# KiCad board robot-hub_rev3.kicad_pcb (continued)
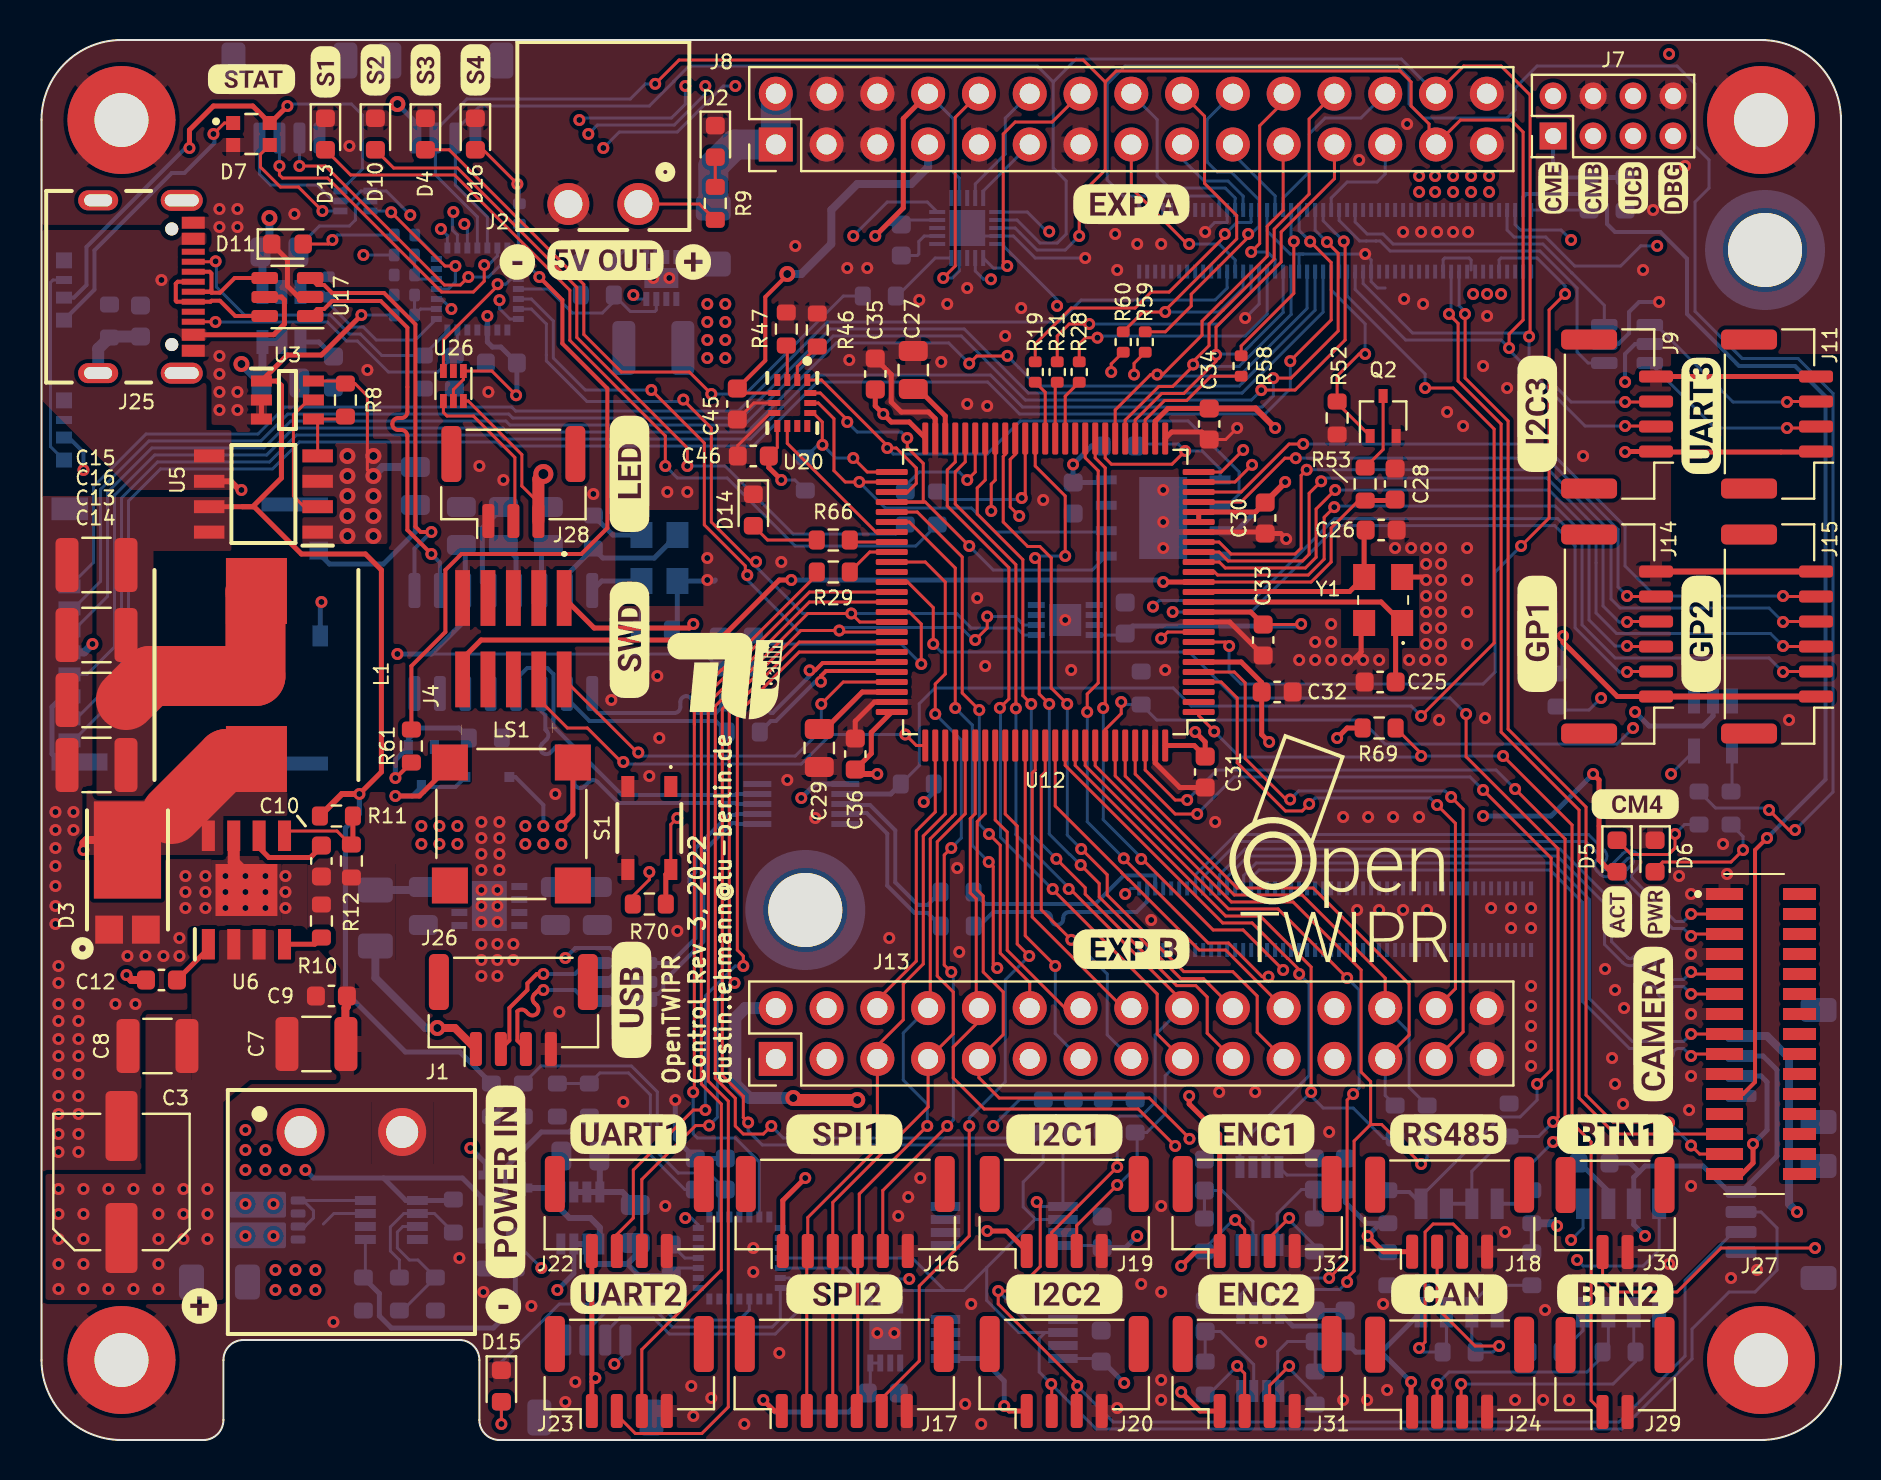
[diagram p0: board, top side]
## Routing (per net, layer and track width the routed paths; a pad name or vN(x,y) marks a point on that pad's centre or on a via; arc(x,y) is an arc through that point) (continued)
  Top w0.15: v1(65.3,23.1) 61.85,26.55 59.37,26.55 52.2,33.72 U12.92 ; v1(64.4,8.1) 65.3,9 65.3,17 v1(65.6,17.3)
  Bottom w0.15: v1(65.3,23.1) 65.9,22.5 65.9,17.6 v1(65.6,17.3) ; U27.5 59.98,7.28 60.8,8.1 v1(64.4,8.1)
ENC2_A: length 33.2
  Top w0.15: v1(63.5,17.4) 63.5,23.65 60.95,26.2 59.22,26.2 51.7,33.72 U12.91
  Bottom w0.15: R24.2 67.13,15.07 65.6,16.6 64.1,16.6 63.5,17.2 v1(63.5,17.4) 61.24,15.14 U28.7
ENC2_B: length 28.4
  Top w0.15: v1(62.9,23.3) 62.9,23.51 62.34,24.07 62.33,24.07 60.55,25.85 59.08,25.85 51.2,33.73 U12.90
  Bottom w0.15: v1(62.9,23.3) 63.4,22.8 63.4,18.22 59.94,14.76 U28.5
G031_LED: length 1.8
  Bottom w0.15: R68.1 23.85,60.74 U14.22
G031_SWCLK: length 15.3
  Top w0.15: v1(12.9,63.7) 14.2,63.7 20.15,57.75 20.95,57.75 v1(21.35,58.15)
  Bottom w0.15: J6.3 v1(12.9,63.7) ; U14.21 23.3,59.09 22.36,58.15 v1(21.35,58.15)
G031_SWDIO: length 16.8
  Top w0.15: v1(11.9,63.7) 11.9,63.25 12.05,63.1 14.31,63.1 20.01,57.4 21.6,57.4 22.14,57.94 v1(22.14,58.75)
  Bottom w0.15: J6.2 v1(11.9,63.7) ; U14.20 22.8,59.2 22.3,58.7 22.19,58.7 v1(22.14,58.75)
HSV_ADC_5V_REG: length 18.6
  Bottom w0.15: U13.9 33.9,12.22 C38.2 33.37,13.35 31.85,13.35 31.85,13.35 30.8,14.39 30.8,17.4 29.5,18.7 24.98,18.7 R31.2
  Bottom w0.25: 22.5,16.17 24.1,17.78 R31.2
HSV_ADC_BAT: length 13
  Bottom w0.15: U13.8 33.4,11.82 C39.2 32.17,12.53 30.45,14.25 30.45,17.26 29.36,18.35 27.93,18.35 R32.1 R33.2
IMU_INT2: length 7.9
  Top w0.15: U20.9 37.3,49.83 41.73,45.4 U12.57
LTC4412_STAT: length 3.6
  Top w0.15: R8.2 15.08,51.05 U3.4 13.81,50.84 U5.4
MEAS_5V_REG_UMCU: length 2.2
  Bottom w0.15: U14.9 18.96,56.55 R36.1 R37.2
MEAS_5V_USB_UMCU: length 2.2
  Bottom w0.15: R34.1 R35.2 18.86,58.05 U14.12
nPWR_LED: length 35
  In1.Cu w0.25: v1(79.7,36.4) 81,37.7 81,55.5 v1(76.5,60)
  Bottom w0.15: v1(76.5,60) 76,60.5 73.97,60.5 73.7,60.77 Module1.95
  Bottom w0.25: v1(79.7,36.4) 80.4,35.7 83.1,35.7 83.6,36.2 U24.2
nRPIBOOT: length 17.6
  In1.Cu w0.25: J7.3 77.6,61.1 78.99,59.71 v1(80.81,59.71)
  Bottom w0.15: v1(80.81,59.71) 79.99,59.71 78.98,58.7 76.68,58.7 75.23,60.15 73.65,60.15 73.3,60.5 Module1.93
NRST: length 52.1
  Top w0.15: R53.2 65.88,46.97 64.5,45.6 64.5,43.9 63.5,42.9 U12.14
  Top w0.25: R53.2 67.65,46.97 C28.1 ; v1(37.5,43) 36.9,43 33.9,40 21.99,40 21.06,39.07 J4.10 ; v1(56.1,42.9) U12.14
  Bottom w0.25: v1(37.5,43) 56,43 v1(56.1,42.9)
PC0: length 30.8
  Top w0.15: J14.3 79.33,39.67 v1(79.3,39.7) ; U12.15 58.67,43.4 58.82,43.25 63.36,43.25 64.15,44.04 64.15,46.14 v1(64.66,46.64)
  Bottom w0.15: v1(64.66,46.64) 64.71,46.7 75.7,46.7 77.4,45 77.4,41 78.7,39.7 v1(79.3,39.7)
PC1: length 39.5
  Top w0.15: v1(64.7,47.5) 63.75,46.55 63.75,44.14 63.21,43.6 59.2,43.6 58.91,43.9 U12.16 ; v1(87.1,39.7) 87.13,39.67 J15.3
  Bottom w0.15: v1(64.7,47.5) 75.39,47.5 77.75,45.15 77.75,41.35 78.77,40.33 86.47,40.33 v1(87.1,39.7)
PD2: length 15.3
  Top w0.15: U12.83 47.7,31 48.3,30.4 48.3,24.49 51.19,21.59 J13.14
PD5: length 16.8
  Top w0.15: U12.86 49.2,25.21 50.7,23.71 v1(50.7,23.7)
  Bottom w0.15: v1(50.7,23.7) 50.7,20.32 J13.13
PD6: length 15.5
  Top w0.15: U12.87 49.7,33.5 49.55,33.35 49.55,26.15 54.11,21.59 J13.16
PD7: length 17.7
  Top w0.15: v1(51.51,25.01) 50,26.51 50,33.2 50.2,33.4 U12.88
  Bottom w0.15: J13.15 53.3,20.26 53.3,23.3 51.59,25.01 v1(51.51,25.01)
PD8: length 28.4
  Top w0.15: v1(47.39,30.3) 47.95,29.74 47.95,24.34 49.42,22.87 49.42,21.59 ; v1(46.9,36.5) 46.05,37.35 46.05,44.15 43.8,46.4 U12.55
  Bottom w0.15: v1(46.9,36.5) 46.9,30.79 v1(47.39,30.3)
PD9: length 30.2
  Top w0.15: U12.56 43.4,45.9 45.7,43.6 v1(45.7,36.6) ; v1(47.8,23.6) 47.6,23.8 47.6,28.68 v1(47.38,28.9)
  In1.Cu w0.15: 49.42,19.05 48.15,20.33 48.15,23.25 v1(47.8,23.6)
  Bottom w0.15: v1(45.7,36.6) 46.55,35.75 46.55,29.73 v1(47.38,28.9)
PE9: length 35.4
  Top w0.15: J13.20 58.11,23.07 56.98,23.07 52.9,27.15 52.9,27.83 v1(51.97,28.75) ; v1(49.69,44.1) 49.81,44.1 49.9,44.01 49.9,37.3 v1(50.4,36.8) ; v1(51.2,44.2) 51.2,47.2 49.7,48.7 U12.39
  Bottom w0.15: v1(51.97,28.75) 51.95,28.75 51.77,28.93 51.77,28.94 51.44,29.27 51.43,29.27 50.4,30.3 v1(50.4,36.8) ; v1(49.69,44.1) 49.79,44.2 v1(51.2,44.2)
PE11: length 45.3
  Top w0.15: v1(79.3,38.4) 79.33,38.42 J14.2 ; v1(48.9,46.2) 48.45,46.65 48.45,49.03 48.7,49.28 U12.41
  In1.Cu w0.25: v1(56.58,41.4) 56.58,41.56 55.84,42.3 55.5,42.3 51.6,46.2 v1(48.9,46.2)
  Bottom w0.15: v1(56.58,41.4) 60.5,41.4 64.82,45.72 75.68,45.72 76.7,44.7 76.7,40.61 78.91,38.4 v1(79.3,38.4)
PE12: length 38.7
  Top w0.15: v1(52,29.55) 52.01,29.55 53.3,28.26 53.3,27.25 57.13,23.42 59.58,23.42 60.8,22.2 60.8,20.38 J13.21 ; v1(51.3,36.8) 50.5,37.6 50.5,44.11 49.93,44.67 49.33,44.67 48.1,45.9 48.1,49.18 48.2,49.28 U12.42
  Bottom w0.15: v1(52,29.55) 51.3,30.25 v1(51.3,36.8)
PE13: length 54.3
  Top w0.15: J15.2 87.13,38.42 v1(87.1,38.4) ; v1(47.5,46.45) 47.5,47.8 47.7,48 U12.43
  In1.Cu w0.25: v1(47.5,46.45) 48.45,45.5 51.3,45.5 55.13,41.67 v1(55.59,41.67)
  Bottom w0.15: v1(87.1,38.4) 86.4,39.1 78.71,39.1 77.05,40.76 77.05,44.84 75.83,46.07 64.67,46.07 60.58,41.97 55.9,41.97 v1(55.59,41.67)
PE14: length 37
  Top w0.15: v1(50.76,29.06) 52.2,27.61 52.2,27.29 56.77,22.72 57.73,22.72 58.3,22.15 58.3,20.34 J13.19 ; v1(49.5,36.8) 49.08,37.22 49.08,44.02 46.8,46.3 46.8,47.6 47.2,48 U12.44
  Bottom w0.15: v1(50.76,29.06) 49.5,30.31 v1(49.5,36.8)
PE_OUT2: length 12.8
  Top w0.15: J8.14 50.55,65.9 48.7,65.9 48.1,65.3 48.1,58.9 v1(48.3,58.7)
  Bottom w0.15: v1(48.3,58.7) 48.2,58.6 47.6,58.6 U23.6
PE_OUT3: length 11.5
  Top w0.15: v1(45.1,58.1) 45.7,58.7 45.7,66.13 J8.10
  Bottom w0.15: v1(45.1,58.1) 45.55,58.1 45.9,58.45 U23.9
PE_OUT5: length 3.6
  Bottom w0.15: U23.20 47.1,62.45 49.42,64.77
PE_OUT7: length 6.3
  Bottom w0.15: U23.19 46.7,62.8 48.2,64.3 48.2,66.09 49.42,67.31
POWER_IN: length 23.1
  Bottom w0.25: v1(13.2,13.5) 13.6,13.1 17.1,13.1 ; R3.2 D1.1 ; D1.1 22.85,11.95 23.2,12.3 23.2,13.6 25,15.4 26.4,15.4 27.17,16.17 27.4,16.17 ; D1.1 21.05,13.1 17.1,13.1 ; R4.1 20.55,11.97 U2.1 18.23,11.97 17.1,13.1
  vias: v1(10.2,15.5) v1(10.2,14.5) v1(10.2,13.5) v1(10.2,11.8) v1(11.2,14.5) v1(11.2,13.5) v1(11.6,11.8) v1(12.2,13.5)
POWER_LED: length 15.1
  Bottom w0.15: R67.1 23,3.9 25.9,6.8 30.89,6.8 31.69,6 34.9,6 35.4,6.5 U13.24
PWM0: length 5.3
  Bottom w0.15: J8.25 67.2,63.3 66.8,62.9 65.3,62.9 64.5,62.1 Module1.49
PWM1: length 9.4
  Top w0.15: J8.15 54.51,62.59 57.3,59.8 v1(57.4,59.8)
  Bottom w0.15: Module1.26 59.7,59 58.9,59.8 v1(57.4,59.8)
PWM_BUZZER: length 32.8
  Top w0.2: R61.2 18.5,38.7 20.2,40.4 20.2,43.5 21,44.3 27,44.3 28.3,45.6 28.3,52.58 26.05,54.83 26.05,57 v1(24.9,58.15)
  Bottom w0.15: U14.23 24.5,58.55 v1(24.9,58.15)
PWM_NEOPIXEL_1: length 7.3
  Top w0.15: v1(20.7,58.7) 20.18,58.7 v1(17.49,61.39)
  Bottom w0.15: v1(20.7,58.7) 20.7,57.9 20.35,57.55 U14.11 ; v1(17.49,61.39) 17.43,61.45 U25.3
PWM_NEOPIXEL_2: length 6.6
  Top w0.15: v1(22.81,57.79) 22.81,57.71 20.1,55 U26.3
  Bottom w0.15: U14.24 23.48,58.05 23.22,57.79 v1(22.81,57.79)
RS485_1_A: length 13.4
  Top w0.15: v1(72.9,4.7) 71.7,4.7 69.8,6.6 J18.2
  Bottom w0.15: v1(72.9,4.7) 72.6,4.4 R80.2 71.54,4.59 71.54,6.39 ; R82.1 72.45,7.74 71.54,6.83
RS485_1_B: length 15.7
  Top w0.15: J18.3 71.1,9.47 71.1,10.3 70.6,10.8 69.6,10.8 69.2,10.4 69.2,4.9 v1(68.9,4.6)
  Bottom w0.15: v1(68.9,4.6) 69.1,4.4 R80.1 70.27,4.59 U30.7 ; R81.2 69.35,7.74 70.27,6.83
RS485_EN: length 62.9
  Top w0.15: v1(71.25,36.3) 71.25,34.16 75.85,29.56 75.85,16.15 v1(75.6,15.9) ; U12.62 43.32,42.9 44.6,41.62 v1(44.6,39.8)
  Bottom w0.15: v1(71.25,36.3) 70.45,37.1 59.7,37.1 57.4,39.4 45,39.4 v1(44.6,39.8) ; 71.54,11.81 71.54,13.44 73.27,15.17 R72.1 74.88,15.17 v1(75.6,15.9)
  Bottom w0.2: 71.54,11.81 U30.2
RS485_RX: length 48
  Top w0.15: v1(74.8,17.8) 75.5,18.5 75.5,29.1 v1(72.1,32.5) ; v1(57.8,31.3) 56.7,31.3 54.7,33.3 U12.97
  Bottom w0.15: v1(57.8,31.3) 59.65,33.15 71.45,33.15 v1(72.1,32.5) ; v1(74.8,17.8) 74.8,17 73.95,16.15 72.97,16.15 68.99,12.18 U30.1
  Bottom w0.2: R74.2 67.42,12.4 68.41,12.4 U30.1
RS485_TX: length 45.2
  Top w0.15: v1(73.7,32.55) 76.2,30.05 76.2,15.5 v1(75.6,14.9) ; U12.98 55.2,33.5 56.7,32 v1(57.3,32)
  Bottom w0.15: R71.2 74.54,13.84 v1(75.6,14.9) ; v1(73.7,32.55) 72.75,33.5 58.8,33.5 v1(57.3,32)
  Bottom w0.2: R71.2 73.86,11.81 U30.4
RUN_PG: length 42
  Top w0.15: v1(74,44.7) 75.4,46.1 75.4,56.5 v1(76.2,57.3) ; U12.8 59.2,39.9 v1(59.4,39.7)
  Bottom w0.15: v1(76.2,57.3) 76.2,57.7 74.8,59.1 73,59.1 72.9,59 Module1.92 ; v1(59.4,39.7) 59.4,38.39 59.99,37.8 72.1,37.8 72.7,38.4 72.7,43.4 v1(74,44.7)
SD_CARD_SWITCH: length 23.3
  In1.Cu w0.25: v1(14,41.9) 14,42.4 12.2,44.2 12.2,51.3 17.45,56.55 v1(20.5,56.55)
  Bottom w0.15: v1(20.5,56.55) 20,57.05 U14.10
  Bottom w0.25: v1(14,41.9) 13.94,41.84 J3.10
SD_CLK: length 78.5
  Top w0.15: v1(46.4,53.82) 46.78,54.2 48.3,54.2 v1(48.31,54.21)
  Bottom w0.15: v1(46.4,53.82) 45.37,54.85 39.75,54.85 35.3,50.4 23.28,50.4 23.08,50.6 12.61,50.6 11.26,49.25 5.66,49.25 3.65,47.24 3.65,39.65 2.28,38.28 J3.5 ; v1(48.31,54.21) 48.31,54.2 48.87,53.63 48.87,53.63 49.8,52.7 59.9,52.7 63.7,56.49 Module1.46
SD_CMD: length 82.6
  Top w0.15: v1(65.13,59.93) 65.2,59.86 65.2,55 62.7,52.5 61.01,52.5 v1(61.01,52.49)
  Bottom w0.15: v1(61.01,52.49) 60.51,52 49.21,52 46,55.2 39.6,55.2 35.14,50.75 23.42,50.75 23.22,50.95 12.47,50.95 11.12,49.6 5.52,49.6 3.3,47.39 3.3,42.18 1.6,40.48 J3.3 ; v1(65.13,59.93) 64.1,60.96 Module1.47
SD_DAT0: length 85.1
  Top w0.15: v1(64.29,59.9) 64.85,59.34 64.85,55.45 62.49,53.09 v1(61.61,53.09)
  Bottom w0.15: J3.7 1.75,36.08 4,38.33 4,47.1 5.81,48.9 11.41,48.9 12.76,50.25 22.94,50.25 23.14,50.05 35.45,50.05 38.65,53.25 47.46,53.25 49.06,51.65 61.05,51.65 61.61,52.21 v1(61.61,53.09) ; v1(64.29,59.9) 63.7,60.49 Module1.45
SD_DAT1: length 85.7
  Top w0.15: v1(62.46,53.94) 62.46,53.96 64.5,56 64.5,58.87 v1(63.45,59.92)
  Bottom w0.15: J3.8 1.6,34.98 4.35,37.73 4.35,46.95 5.95,48.55 11.55,48.55 12.9,49.9 22.79,49.9 22.99,49.7 35.6,49.7 38.8,52.9 47.32,52.9 48.92,51.3 61.19,51.3 62.46,52.56 v1(62.46,53.94) ; Module1.41 62.9,60.48 v1(63.45,59.92)
SD_DAT2: length 67.3
  Bottom w0.15: J3.1 2.6,43.88 2.6,47.68 5.23,50.3 10.83,50.3 12.18,51.65 23.51,51.65 23.71,51.45 34.85,51.45 39.3,55.9 50.9,55.9 52,57 58.7,57 59.3,57.6 Module1.24
SD_DAT3: length 76.4
  Bottom w0.15: J3.2 1.6,41.58 2.95,42.93 2.95,47.53 5.37,49.95 10.97,49.95 12.32,51.3 23.37,51.3 23.57,51.1 34.99,51.1 39.44,55.55 46.15,55.55 49.35,52.35 60.05,52.35 64.1,56.4 Module1.48
SD_POWER: length 25.5
  In1.Cu w0.4: v2(10,53.8) 10.6,53.8 11.3,53.1 11.3,50.6 9.6,48.9 7.4,48.9 5,46.5 5,42.25 v1(2.55,39.8)
  Bottom w0.4: J3.4 2.13,39.38 v1(2.55,39.8) ; v2(10,53.8) 10.95,52.85 C24.1 11.05,52.9 U10.6 U10.5
SHDN_LTC4365: length 12.6
  In1.Cu w0.3: v1(32.2,11.1) 32.5,10.8 32.5,9.7 31.9,9.1 25.5,9.1 v1(25,8.6)
  Bottom w0.15: U13.7 32.85,10.75 32.5,11.1 v1(32.2,11.1) ; R1.2 23.7,9.9 v1(25,8.6)
SUPERVISOR_INT: length 2.5
  Top w0.15: 40.42,43.4 41.42,44.4 U12.59
SUPERVISOR_SWCLK: length 12.6
  Bottom w0.15: U13.21 36.95,6.05 36.55,5.65 31.54,5.65 30.74,6.45 28.27,6.45 27.2,5.38 J5.3
SUPERVISOR_SWDIO: length 13.4
  Bottom w0.15: J5.2 28.2,5.38 28.92,6.1 30.6,6.1 31.4,5.3 36.7,5.3 37.8,6.4 37.8,7.7 37.4,8.1 U13.20
SWCLK: length 22.5
  Top w0.15: U12.76 43.75,34.72 v1(43.2,35.27) ; J4.4 24.87,37.03 26.3,35.6 27.3,35.6 29,33.9 v1(29.1,33.9)
  Bottom w0.15: v1(29.1,33.9) 29.2,33.8 38,33.8 39.47,35.27 v1(43.2,35.27)
SWDIO: length 20.3
  Top w0.15: v1(39,36.8) 40.1,37.9 U12.72 ; v1(29.85,34.37) 29.8,34.37 J4.2
  Bottom w0.15: v1(39,36.8) 39,35.5 37.7,34.2 30.02,34.2 v1(29.85,34.37)
UC_ACT_LED: length 2.1
  Top w0.15: 40.42,45 40.53,44.9 U12.58
UC_AIN1: length 35.7
  Top w0.15: U12.33 52.7,49.11 53.2,48.61 53.2,36.7 v1(53.1,36.6) ; v1(55,29.05) 55.05,29.05 58.6,25.5 60.1,25.5 v1(62.1,23.5)
  In1.Cu w0.15: v1(62.1,23.5) 62.47,23.87 63.33,23.87 64.67,22.53 J13.24
  Bottom w0.15: v1(55,29.05) 55,29.12 53.1,31.02 v1(53.1,36.6)
UC_AIN2: length 37.9
  Top w0.15: v1(54.13,29.08) 54.13,29.07 58.35,24.85 59.36,24.85 61.05,23.17 v1(61.37,23.17) ; v1(52.3,36.4) 52.3,37.3 52.85,37.85 52.85,48.46 52.2,49.11 U12.34
  In1.Cu w0.15: J13.23 63.4,20.32 63.4,22 62.67,22.73 62.66,22.73 62.49,22.9 61.63,22.9 v1(61.37,23.17)
  Bottom w0.15: v1(52.3,36.4) 52.3,30.91 v1(54.13,29.08)
UC_AIN3: length 31.7
  Top w0.15: J14.4 79.33,40.92 v1(79.3,40.9) ; v1(64,47.94) 63.4,47.34 63.4,44.28 63.07,43.95 59.35,43.95 58.9,44.4 U12.17
  Bottom w0.15: v1(79.3,40.9) 78.9,40.9 78.1,41.7 78.1,45.29 75.29,48.1 64.16,48.1 v1(64,47.94)
UC_AIN4: length 40.1
  Top w0.15: v1(63.28,48.51) 63,48.23 63,44.6 62.7,44.3 59.49,44.3 58.89,44.9 U12.18 ; v1(87.1,40.9) 87.13,40.92 J15.4
  Bottom w0.15: v1(87.1,40.9) 86.4,41.6 78.95,41.6 78.5,42.05 78.5,45.38 75.37,48.51 v1(63.28,48.51)
UC_CM4_D_N: length 8.7
  Bottom w0.2: U19.4 40.75,31.3 40.8,31.35 41.27,31.35 42.3,30.32 42.3,27.72 43.66,26.35 44.32,26.35 44.98,25.7
UC_CM4_D_P: length 8.6
  Bottom w0.2: U19.3 40.75,31.8 40.8,31.75 41.43,31.75 42.7,30.48 42.7,27.88 43.83,26.75 44.32,26.75 R51.2
UC_I2C_INTERN_SCL: length 168.5
  Top w0.15: v1(30.5,52.5) 33.15,49.85 33.15,45.76 35.2,43.71 35.2,43.34 v1(35.3,43.24) ; v1(35.34,15.87) 35.1,16.12 35.1,17.18 34.05,18.23 34.05,36.54 37.98,40.47 v1(39.9,40.47) 39.97,40.4 U12.67 ; v1(47.3,41.17) 47.3,40.6 v1(46.7,40) ; J20.2 50.53,2.78 v1(50.5,2.8)
  Bottom w0.15: v1(35.3,43.24) 35.3,43 37.83,40.47 v1(39.9,40.47) 40.05,40.62 45.98,40.62 46.61,40 v1(46.7,40) ; v1(35.34,15.87) 35.34,15.46 36.05,14.75 49.48,14.75 R23.2 50.1,13.9 49.1,12.9 49.1,11.65 49.73,11.03 U9.6 49.67,11.03 47.28,8.63 ; U13.18 43.55,9.1 45.17,7.48 45.22,7.48 ; 45.22,7.48 42.05,7.48 41.95,7.37 U21.2 ; 45.22,7.48 46.13,7.48 47.28,8.63 ; U22.2 49.12,40.75 48.7,41.17 v1(47.3,41.17) ; 47.28,8.63 47.28,6.97 48.88,5.38 51.09,5.38 50.2,5.38 49.9,5.07 49.9,3.4 v1(50.5,2.8) 52.75,0.55 53.74,0.55 79.04,0.55 82.55,4.06 82.55,5.55 84.4,7.4 85.7,7.4 86.8,8.5 86.8,10.6 86,11.4 J21.2 ; v1(30.5,52.5) 27.2,52.5 25.6,54.1 25.6,55.95 24.5,57.05 U14.26
UC_I2C_INTERN_SDA: length 162.7
  Top w0.15: v1(32.1,52.02) 32.1,52 33.5,50.6 33.5,45.9 35.49,43.91 v1(35.74,43.91) ; v1(36.5,15.7) 36.1,15.3 35.1,15.3 34.7,15.7 34.7,17.09 33.7,18.09 33.7,36.7 38.33,41.33 v1(40.5,41.33) 40.93,40.9 U12.66 ; J20.3 51.78,2.67 v1(51.8,2.7) 51.8,2.85 47.85,6.8 v1(47.85,7.45) 48.73,7.45 49.95,8.68 49.95,11.72 v1(49.77,11.9)
  In1.Cu w0.25: v1(43.4,8.05) 47.25,8.05 v1(47.85,7.45)
  Bottom w0.15: v1(43.4,8.05) 42.13,8.05 41.45,7.37 ; v1(36.5,15.7) 37.1,15.1 48.35,15.1 49.45,16.2 50.78,16.2 R22.2 ; v1(51.8,2.7) 53.6,0.9 78.9,0.9 82.2,4.2 82.2,7.98 84.62,10.4 J21.3 ; v1(49.77,11.9) 50,11.67 U9.5 51.09,14.86 ; U22.1 49.13,40.25 48.78,40.6 46.5,40.6 45.77,41.33 v1(40.5,41.33) 38.07,41.33 35.74,43.66 v1(35.74,43.91) ; v1(47.85,7.45) 49.28,6.03 U8.5 ; U21.1 41.45,7.37 ; 41.45,7.37 40.22,8.6 U13.19 ; U14.27 24.5,56.55 25.25,55.8 25.25,53.96 27.28,51.93 32,51.93 v1(32.1,52.02)
  Bottom w0.2: 51.09,14.86 R22.2
UC_LED1: length 6.1
  Top w0.15: v1(46.3,48) 46.7,48.4 U12.45
  Bottom w0.15: R63.1 43.2,47.7 43.9,48.4 45.9,48.4 v1(46.3,48)
UC_LED2: length 7.5
  Top w0.15: U12.40 49.2,47.28 v1(49.02,47.1)
  Bottom w0.15: R65.1 45.2,47.03 48.95,47.03 v1(49.02,47.1)
UC_PWM1: length 27.8
  Top w0.15: 69.74,21.59 70.71,22.56 70.71,30.83 v1(69.8,31.75) ; U12.4 59,37.9 59.8,37.1 59.8,33.86 62.21,31.45 63.05,31.45 v1(63.4,31.8)
  Bottom w0.15: v1(63.4,31.8) 63.7,32.1 69.45,32.1 v1(69.8,31.75)
UC_PWM2: length 31.7
  Top w0.15: v1(70.5,32.15) 71.1,31.55 71.1,20.41 69.74,19.05 ; v1(62.45,32.03) 62.25,32.03 60.2,34.08 60.2,37.86 59.66,38.4 U12.5
  Bottom w0.15: v1(70.5,32.15) 70.2,32.45 62.87,32.45 v1(62.45,32.03)
UC_PWM3: length 36.2
  Top w0.15: v1(87.1,42.2) 87.13,42.17 J15.5 ; U12.23 60,47.4 62.4,49.8 v1(63.1,49.8)
  Bottom w0.15: v1(87.1,42.2) 80.7,42.2 79.2,43.7 79.2,45.67 75.07,49.8 v1(63.1,49.8)
UC_PWM4: length 28.3
  Top w0.15: v1(79.3,42.2) 79.33,42.17 J14.5 ; U12.22 59.99,46.9 62.19,49.09 v1(62.73,49.09)
  Bottom w0.15: v1(79.3,42.2) 78.85,42.65 78.85,45.53 75.29,49.09 v1(62.73,49.09)
UC_SCL_2: length 49.5
  Top w0.15: U12.46 46.2,48.91 45.7,48.41 45.7,46.8 48.73,43.77 v1(48.73,36.58) ; J13.18 57.05,21.95 51.45,27.55 v1(51.37,27.55) ; v1(53.8,13.65) 50.53,10.38 J19.2
  Bottom w0.15: v1(51.37,27.55) 51.37,27.63 48.73,30.27 v1(48.73,36.58) ; v1(53.8,13.65) 53.8,14.67 R20.2 53.92,16.2 55.02,16.2 55.7,16.88 55.7,20.25 J13.18
UC_SDA_2: length 48.7
  Top w0.15: v1(53.8,12.75) 51.78,10.72 J19.3 ; J13.17 55.8,20.3 55.8,22.3 50.57,27.53 v1(50.57,27.55) ; U12.47 45.7,48.9 45.3,48.5 45.3,46.7 48.38,43.62 48.38,37.05 v1(47.93,36.61)
  Bottom w0.15: v1(53.8,12.75) 53.85,12.75 54.8,13.7 54.8,15.28 R18.2 55.27,15.38 56.2,16.3 56.2,18.21 J13.17 ; v1(50.57,27.55) 50.55,27.55 47.96,30.14 47.96,36.57 v1(47.93,36.61)
UC_SPI1_CS_EXT1: length 36.8
  Top w0.15: U12.84 48.2,31.3 48.8,30.7 48.8,24.8 v1(49.4,24.2) ; v1(46.4,15.7) 46.4,10.2 43.9,7.7 43.9,3.95 42.03,2.07 J17.5
  Bottom w0.15: v1(49.4,24.2) 48.2,23 48.2,17.9 46.4,16.1 v1(46.4,15.7)
UC_SPI1_MISO: length 31.3
  Top w0.15: U20.1 39.01,53 42.3,49.71 v1(42.3,49.6) 42.75,49.6 43.75,48.6 43.75,48.5 ; 43.75,48.55 43.75,47.83 43.32,47.4 U12.53
  Bottom w0.15: U11.2 59.33,46.73 59.9,47.3 59.9,48.4 57.35,50.95 48.95,50.95 47.3,49.3 42.6,49.3 v1(42.3,49.6)
UC_SPI1_MOSI: length 23.4
  Top w0.15: U20.14 38.95,52.35 40.3,51 v1(40.3,50.9) ; v1(43.3,50.1) 43.3,49.63 44.1,48.83 44.1,46.9 U12.54 44.2,46.9 v1(46.4,44.7)
  Bottom w0.15: v1(40.3,50.9) 40.8,50.4 43,50.4 v1(43.3,50.1) ; v1(46.4,44.7) 47.6,43.5 52.56,43.5 U11.5
UC_SPI1_SCLK: length 20.6
  Top w0.15: U20.13 38.85,51.85 39.63,51.07 39.63,48.47 40.2,47.9 v1(40.9,47.9) U12.52
  Bottom w0.15: U11.6 53.19,45.4 47.71,45.4 46.51,46.6 42.2,46.6 v1(40.9,47.9)
UC_SPI2_CS_EXT1: length 39.3
  Top w0.15: v1(45.3,15.7) 42.08,12.47 J16.5 ; v1(44.7,36.3) 44.7,37.8 45.2,38.3 45.2,42.9 44.2,43.9 U12.60 ; v1(45.5,29.6) 45.15,29.25 45.15,23.75 v1(45.5,23.4)
  Bottom w0.15: v1(45.3,15.7) 45.6,16 45.6,23.3 v1(45.5,23.4) ; v1(45.5,29.6) 46,30.1 46,35 v1(44.7,36.3)
UC_SPI2_MISO: length 36.3
  Top w0.15: J17.4 40.83,1.5 J16.4 40.9,9.53 40.9,12.3 v1(44.3,15.7) ; 44.34,21.59 44.45,21.7 44.45,30.06 45.7,31.31 U12.79
  Bottom w0.15: 44.34,21.59 43.1,20.35 43.1,18 44.3,16.8 v1(44.3,15.7)
UC_SPI2_MOSI: length 36.7
  Top w0.15: J17.3 39.58,1.5 J16.3 39.58,11.88 44.34,16.65 44.34,19.05 45.6,20.31 45.6,22.4 44.8,23.2 44.8,29.91 46.2,31.31 U12.80
UC_SPI2_SCLK: length 36.1
  Top w0.15: J17.2 38.28,9.4 J16.2 38.33,11.12 41.81,14.6 J13.5 41.81,19.71 43.1,21.01 43.1,22.8 44.1,23.8 44.1,30.2 45.2,31.3 U12.78
UC_SPI_CM4_CS: length 6.6
  Top w0.15: R58.2 58.49,53.19 57.27,51.97 56.17,51.97 55.2,51.01 U12.28
UC_TIM1: length 26.5
  Top w0.15: J13.26 67.2,23.09 63.05,27.25 59.66,27.25 53.7,33.21 U12.95
  Bottom w0.15: J13.26 68.4,20.4 68.4,17.62 R25.1
UC_TIM2: length 26.8
  Top w0.15: U12.96 54.2,33.2 59.8,27.6 63.6,27.6 68.4,22.8 68.4,20.25 J13.25
  Bottom w0.15: R24.1 67.2,17.22 J13.25
UC_UART_CM4_RX: length 11
  Top w0.15: R59.2 54.64,53.83 v1(54.64,53.27) ; U12.25 59,48.4 v1(60.1,49.5)
  In1.Cu w0.25: v1(60.1,49.5) 58.42,49.5 v1(54.64,53.27)
UC_UART_CM4_TX: length 15
  Top w0.15: v1(60.54,48.76) 59.69,47.9 U12.24 ; R60.2 54.1,54.4 53.5,53.8 v1(53.5,53.4)
  In1.Cu w0.25: v1(60.54,48.76) 60.19,48.4 56.1,48.4 53.5,51 v1(53.5,53.4)
UC_UART_EXT1_RX: length 39.2
  Top w0.15: v1(35.1,23.7) 35.1,24.2 34.8,24.5 34.8,36.31 37.89,39.4 U12.69 ; v1(33.2,16.5) 32.6,16.5 29.6,13.5 29.6,11.1 28.78,10.28 J22.2
  Bottom w0.15: v1(33.2,16.5) 33.2,22.2 34.7,23.7 v1(35.1,23.7)
UC_UART_EXT1_TX: length 38.9
  Top w0.15: U12.68 37.9,39.9 34.4,36.4 34.4,23.11 v1(34.66,22.85) ; J22.3 30.03,13.03 32.72,15.72 v1(33.39,15.72)
  Bottom w0.15: v1(33.39,15.72) 33.8,16.13 33.8,21.99 v1(34.66,22.85)
UC_UART_EXT2_RX: length 53.6
  Top w0.15: U12.64 38.41,41.9 33.35,36.84 33.35,17.94 34.35,16.94 34.35,1.65 33.03,0.33 29.7,0.33 28.78,1.25 J23.2
UC_UART_EXT2_TX: length 49.4
  Top w0.15: U12.63 38.41,42.4 33,36.99 33,17.8 34,16.8 34,8.5 30.03,4.53 J23.3
UC_UART_EXT3_RX: length 18.6
  Top w0.15: J13.22 59.22,24.5 57.9,24.5 54.37,28.03 54.36,28.03 54.03,28.36 54.03,28.37 50.7,31.7 U12.89
UC_UART_EXT3_TX: length 14.3
  Top w0.15: J13.6 41.81,22 43.75,23.95 43.75,30.45 44.7,31.4 U12.77
UC_USB_D_N: length 8.9
  Bottom w0.2: R26.2 33.73,36.35 32.85,36.35 arc(32.64,36.44) 32.55,36.65 32.55,36.89 arc(32.46,37.11) 32.25,37.19 arc(32.04,37.11) 31.95,36.89 31.95,36.65 arc(31.86,36.44) 31.65,36.35 27.82,36.35 27.55,36.62 U16.1
UC_USB_D_P: length 8.9
  Bottom w0.2: R27.2 33.73,35.95 27.41,35.95 26.28,37.08 U16.2
USB_CM4_DEVICE_N: length 18
  Bottom w0.2: U16.3 25.01,36.44 25.2,36.25 25.2,35.52 25.26,35.45 arc(25.35,35.24) 25.26,35.03 25.04,34.8 arc(24.95,34.59) 25.04,34.38 arc(25.25,34.29) 25.46,34.38 25.69,34.61 arc(25.9,34.69) 26.11,34.61 arc(26.2,34.39) 26.11,34.18 25.89,33.96 arc(25.8,33.74) 25.89,33.53 arc(26.1,33.44) 26.31,33.53 26.54,33.76 arc(26.75,33.84) 26.96,33.76 arc(27.05,33.54) 26.96,33.33 26.73,33.11 arc(26.65,32.89) 26.73,32.68 arc(26.95,32.59) 27.16,32.68 27.38,32.91 arc(27.6,33) 27.81,32.91 28.87,31.85 34.7,31.85 34.75,31.8 U19.8
USB_CM4_DEVICE_P: length 17.2
  Bottom w0.2: U19.9 34.75,32.3 34.7,32.25 29.03,32.25 25.6,35.68 25.6,36.05 25.6,36.05 25.6,38.3 25.3,38.6 24.3,38.6 23.73,38.03 U16.4
USB_EXT_N: length 12.2
  Bottom w0.2: U18.3 30.49,22.3 30.84,22.3 31.1,22.56 31.1,22.91 33.1,24.91 33.1,29.42 34.53,30.85 34.7,30.85 34.75,30.8 U19.6
USB_EXT_OUT_N: length 7.8
  Top w0.2: v1(25.1,22.5) 24.87,22.5 24.65,22.28 arc(24.56,22.07) 24.65,21.86 24.77,21.74 arc(24.86,21.53) 24.77,21.32 arc(24.56,21.23) 24.34,21.32 24.22,21.43 arc(24.01,21.52) 23.8,21.43 23.8,19.97 J26.3
  Bottom w0.2: U18.4 27.71,22.1 27.08,22.1 26.68,22.5 v1(25.1,22.5)
USB_EXT_OUT_P: length 7.8
  Top w0.2: J26.2 23.4,19.97 23.4,21.6 24.3,22.5 24.3,22.83 24.77,23.3 v1(25.1,23.3)
  Bottom w0.2: v1(25.1,23.3) 26.68,23.3 27.08,23.7 27.71,23.7 U18.6
USB_EXT_P: length 11.7
  Bottom w0.2: U19.7 34.75,31.3 34.7,31.25 34.37,31.25 32.7,29.58 32.7,28.4 arc(32.66,28.29) 32.55,28.25 arc(32.45,28.2) 32.4,28.1 32.4,27.9 arc(32.45,27.79) 32.55,27.75 arc(32.66,27.7) 32.7,27.6 32.7,25.08 31.47,23.85 U18.1
USB_IN_N: length 6.6
  Top w0.2: U17.4 9.66,58.1 8.92,57.36 8.5,57.36 8.45,57.41 J25.A7 8.41,57.41 8.5,57.5 8.5,58.33 8.41,58.41 J25.B7
USB_IN_P: length 6.6
  Top w0.2: U17.6 9.69,56.2 8.92,56.96 8.5,56.96 8.45,56.91 J25.B6 6.77,56.91 6.72,56.96 6.72,57.82 6.81,57.91 J25.A6
USB_LED: length 1.6
  Bottom w0.15: R64.1 19.75,59.17 U14.14
USB_N: length 20.5
  Top w0.2: v1(19.5,45.4) 18.97,45.4 18.7,45.67 18.7,55.78 17.13,57.35 14.54,57.35 14.14,57.75 13.79,57.75 U17.3
  Bottom w0.2: v1(19.5,45.4) 19.49,45.4 18.66,44.57 U16.9
USB_OTG_ID: length 90.8
  In1.Cu w0.25: v1(54.2,27.3) 57.2,27.3 58.2,28.3 71.4,28.3 74.9,31.8 74.9,37.3 77,39.4 77,46.1 65.9,57.2 52.6,57.2 52.2,57.6 48.7,57.6 47.1,56 40.4,56 39.4,57 39.4,59 v1(40.6,60.2)
  Bottom w0.15: U23.15 44.3,61.9 42.3,61.9 v1(40.6,60.2) ; v1(54.2,27.3) 54.48,27.58 Module1.101
USB_P: length 20.5
  Top w0.2: v1(19.5,44.3) 18.3,45.5 18.3,50.2 arc(18.21,50.41) 18,50.5 17.85,50.5 arc(17.63,50.59) 17.55,50.8 arc(17.63,51.01) 17.85,51.1 18,51.1 arc(18.21,51.19) 18.3,51.4 18.3,55.62 16.97,56.95 14.54,56.95 14.14,56.55 13.79,56.55 U17.1
  Bottom w0.2: v1(19.5,44.3) 19.92,43.88 19.92,42.47
USB_SHIELD: length 3.6
  Bottom w0.6: 4.95,55.17 3.45,55.17 R42.1 2.84,54.56 J25.S3
USER_BTN_EXT: length 53.1
  Top w0.15: R69.2 69,34.32 v1(69,34.2) ; v1(73.1,34.2) 76.55,30.75 76.55,15.85 77.5,14.9 77.5,1.97 J29.1 ; U12.1 57.88,36.22 58.65,35.45 v1(58.65,35.43)
  Bottom w0.15: v1(73.1,34.2) v1(69,34.2) 68.95,34.15 59.93,34.15 v1(58.65,35.43)
USER_BTN_EXT2: length 146.2
  Top w0.15: v1(88.7,9.6) 84,9.6 81.8,7.4 78.7,7.4 78.08,8.03 J30.1
  In1.Cu w0.2: 82.1,68.9 81.7,69.3 v1(81.4,69.3)
  In1.Cu w0.25: v1(19.98,60.55) 19.98,61.66 24.32,66 v1(26.9,66) ; v1(88.7,9.6) 89.1,10 89.1,60.7 87.4,62.4 83.8,62.4 82.9,63.3 82.9,68.1 82.1,68.9
  In2.Cu w0.2: v1(32.2,67.7) 32.2,68.05 33.65,69.5 81.2,69.5 v1(81.4,69.3)
  Bottom w0.15: v1(26.9,66) 27,66.1 31.51,66.1 32.2,66.79 v1(32.2,67.7) ; v1(19.98,60.55) 20.3,60.23 U14.15
V_PWR: length 24.7
  In1.Cu w1: J13.1 31.16,19.05 30.1,18 20.2,18 18.2,20 13.3,20
  vias: v1(0.85,12.55) v1(0.85,11.3) v1(0.85,10.05) v1(0.85,8.8) v1(0.85,7.55) v1(2.1,12.55) v1(2.1,11.3) v1(2.1,10.05) v1(2.1,8.8) v1(2.1,7.55) v1(3.35,12.55) v1(3.35,7.55) v1(4.6,12.55) v1(4.6,7.55) v1(5.85,12.55) v1(5.85,11.3) v1(5.85,10.05) v1(5.85,8.8) v1(5.85,7.55) v1(7.1,12.55) v1(7.1,11.3) v1(7.1,10.05) v1(8.3,12.55) v1(8.3,11.3) v1(8.3,10.05)
Net-(D2-A): length 1.5
  Top w0.15: R9.1 D2.2
Net-(D4-A): length 30.4
  Top w0.15: D4.2 20.39,64.51 27.12,57.78 27.12,55.28 29,53.4 32.4,53.4 v1(33.5,52.3)
  Bottom w0.15: R49.2 40.11,57.2 35.21,52.3 v1(33.5,52.3)
Net-(D5-K): length 5.4
  Top w0.15: D5.1 79.51,29.28 81.38,29.28 81.7,29.6 v1(81.7,30.3)
  Bottom w0.15: R54.1 82.17,30.77 v1(81.7,30.3)
Net-(D6-A): length 6.4
  Top w0.15: D6.2 80.95,28.67 80.95,28.77 81.08,28.9 84.5,28.9 v1(85.1,29.5)
  Bottom w0.15: R55.1 85.1,30.17 v1(85.1,29.5)
Net-(D7-DI): length 6.2
  Top w0.15: D7.3 10.95,64.28 10.95,63.65 11.95,62.65 12.85,62.65 v1(14.05,61.45)
  Bottom w0.15: U25.4 v1(14.05,61.45)
